# Allegro board SG2042_EVB_V1_1.brd (continued)
## Routing (per net, layer and track width the routed paths; a pad name or vN(x,y) marks a point on that pad's centre or on a via; arc(x,y) is an arc through that point) (continued)
DDR0_DM2_N: length 79.7
  TOP w0.14: U1.AK49 v1(158.97,104.15)
  ART03 w0.109: 166.97,107.62 166.89,107.55 166.89,107.51 166.14,106.75 161.24,106.75 160.24,105.75 159.74,105.75 159.38,105.39 159.38,104.55 v1(158.97,104.15)
  ART03 w0.145: J1.30 205.67,145.67 arc(205.6,145.82) 205.5,145.95 205.08,146.36 arc(204.76,146.58) 204.38,146.65 203.14,146.65 arc(202.76,146.58) 202.44,146.36 202.09,146.02 arc(201.86,145.86) 201.58,145.8 200.34,145.8 arc(200.07,145.86) 199.83,146.02 199.41,146.44 arc(199.17,146.6) 198.89,146.65 198.44,146.65 arc(198.06,146.58) 197.74,146.36 197.4,146.02 arc(197.16,145.86) 196.88,145.8 196.54,145.8 arc(196.27,145.86) 196.03,146.02 195.68,146.36 arc(195.36,146.58) 194.98,146.65 189.49,146.65 188.95,146.11 188.74,146.11 188.5,146.35 188.08,146.35 187.51,145.78 187.51,145.36 187.75,145.12 187.75,144.92 187.34,144.51 187.14,144.51 186.9,144.74 186.48,144.74 185.91,144.18 185.91,143.76 186.15,143.52 186.15,143.31 170.28,127.44 170.28,110.93 166.97,107.62
DDR0_DM2_P: length 79.7
  TOP w0.14: U1.AK50 v1(159.97,104.15)
  ART03 w0.109: 167.16,107.44 167.14,107.42 167.1,107.42 166.23,106.54 161.32,106.54 160.99,106.21 160.99,106.05 160.82,105.88 160.66,105.88 160.32,105.54 159.82,105.54 159.59,105.31 159.59,104.9 159.65,104.85 159.71,104.79 159.71,104.55 159.65,104.49 159.59,104.43 159.59,104.26 159.7,104.15 v1(159.97,104.15)
  ART03 w0.145: J1.29 204.96,145.35 arc(205.18,145.33) 205.35,145.48 arc(205.37,145.63) 205.31,145.76 204.89,146.18 arc(204.66,146.33) 204.38,146.39 203.14,146.39 arc(202.86,146.33) 202.63,146.18 202.28,145.83 arc(201.96,145.61) 201.58,145.54 200.23,145.54 arc(199.96,145.59) 199.72,145.75 199.29,146.18 arc(199.06,146.33) 198.78,146.39 198.44,146.39 arc(198.17,146.33) 197.93,146.18 197.58,145.83 arc(197.26,145.61) 196.88,145.54 196.54,145.54 arc(196.16,145.61) 195.84,145.83 195.5,146.18 arc(195.26,146.33) 194.98,146.39 189.6,146.39 189.05,145.85 188.63,145.85 188.39,146.08 188.19,146.08 187.78,145.67 187.78,145.47 188.02,145.23 188.02,144.81 187.45,144.24 187.03,144.24 186.79,144.48 186.59,144.48 186.18,144.07 186.18,143.86 186.41,143.63 186.41,143.2 170.54,127.33 170.54,110.82 167.16,107.44
DDR0_DM3_N: length 76.5
  TOP w0.14: U1.AP52 v1(161.97,100.15)
  ART03 w0.109: 167.98,99.81 167.95,99.81 167.93,99.83 167.62,99.83 166.92,100.54 161.51,100.54 161.39,100.43 161.39,100.26 161.5,100.15 v1(161.97,100.15)
  ART03 w0.145: J1.41 204.87,135.74 arc(204.99,135.88) 204.97,136.06 arc(204.88,136.15) 204.76,136.19 203.14,136.19 arc(202.86,136.13) 202.63,135.98 202.28,135.63 arc(201.96,135.41) 201.58,135.34 200.34,135.34 arc(199.96,135.41) 199.64,135.63 199.3,135.98 arc(199.06,136.13) 198.78,136.19 198.44,136.19 arc(198.17,136.13) 197.93,135.98 197.58,135.63 arc(197.26,135.41) 196.88,135.34 196.54,135.34 arc(196.16,135.41) 195.84,135.63 195.5,135.98 arc(195.26,136.13) 194.98,136.19 193.03,136.19 182.97,126.13 182.97,125.93 183.55,125.35 183.55,124.93 182.98,124.36 182.56,124.36 181.99,124.94 181.78,124.94 181.37,124.53 181.37,124.32 181.95,123.75 181.95,123.32 181.38,122.76 180.96,122.76 180.38,123.33 180.18,123.33 179.77,122.92 179.77,122.72 180.34,122.14 180.34,121.72 179.78,121.15 179.35,121.15 178.78,121.73 178.57,121.73 177.97,121.13 177.97,107.71 170.06,99.81 167.98,99.81
DDR0_DM3_P: length 76.4
  TOP w0.14: U1.AP51 v1(160.97,100.15)
  ART03 w0.109: 167.98,100.07 167.95,100.07 167.93,100.04 167.71,100.04 167,100.75 161.42,100.75 161.18,100.52 161.18,100.35 v1(160.97,100.15)
  ART03 w0.145: 167.98,100.07 169.95,100.07 177.71,107.82 177.71,121.24 178.47,121.99 178.89,121.99 179.46,121.42 179.67,121.42 180.08,121.83 180.08,122.03 179.5,122.61 179.5,123.03 180.07,123.6 180.49,123.6 181.07,123.02 181.27,123.02 181.68,123.43 181.68,123.64 181.11,124.21 181.11,124.64 181.67,125.2 182.1,125.2 182.67,124.63 182.87,124.63 183.29,125.04 183.29,125.24 182.71,125.82 182.71,126.24 192.93,136.45 194.98,136.45 arc(195.36,136.38) 195.68,136.16 196.03,135.82 arc(196.27,135.66) 196.54,135.6 196.88,135.6 arc(197.16,135.66) 197.39,135.82 197.74,136.16 arc(198.06,136.38) 198.44,136.45 198.78,136.45 arc(199.16,136.38) 199.48,136.16 199.83,135.82 arc(200.07,135.66) 200.34,135.6 201.58,135.6 arc(201.86,135.66) 202.09,135.82 202.44,136.16 arc(202.76,136.38) 203.14,136.45 204.96,136.45 arc(205.01,136.45) 205.06,136.45 J1.40
DDR0_DM4_N: length 51.4
  TOP w0.14: U1.BJ54 v1(163.97,85.15)
  BOTTOM w0.109: 168.05,84.19 168.02,84.19 167.96,84.13 167.69,84.13 167.4,84.43 166.57,84.43 166.25,84.75 163.53,84.75 163.42,84.87 163.42,85.04 163.53,85.15 v1(163.97,85.15)
  BOTTOM w0.14: 168.05,84.19 183.9,84.19 186.68,81.42 187.76,81.42 187.9,81.56 187.9,82.22 188.23,82.55 189.06,82.55 189.4,82.22 189.4,81.56 189.53,81.42 190.09,81.42 190.23,81.56 190.23,82.22 190.57,82.55 191.4,82.55 191.73,82.22 191.73,81.56 191.87,81.42 193.06,81.42 193.74,82.09 194.98,82.09 arc(195.37,82.01) 195.71,81.79 196.05,81.44 arc(196.28,81.29) 196.55,81.24 196.88,81.24 arc(197.15,81.29) 197.37,81.44 197.72,81.79 arc(198.05,82.01) 198.45,82.09 198.78,82.09 arc(199.17,82.01) 199.51,81.79 199.85,81.44 arc(200.08,81.29) 200.35,81.24 201.58,81.24 arc(201.85,81.29) 202.07,81.44 202.42,81.79 arc(202.75,82.01) 203.14,82.09 204.38,82.09 arc(204.77,82.01) 205.11,81.78 205.48,81.41 arc(205.48,81.41) 205.49,81.4 205.53,81.36 arc(205.53,81.36) 205.53,81.36 arc(205.64,81.22) 205.71,81.06 J1.100
DDR0_DM4_P: length 51.3
  TOP w0.14: U1.BJ53 v1(162.97,85.15)
  BOTTOM w0.109: v1(162.97,85.15) 163.21,84.91 163.21,84.78 163.45,84.54 166.16,84.54 166.49,84.22 167.31,84.22 167.6,83.92 167.96,83.92 168.02,83.86 168.05,83.86
  BOTTOM w0.14: J1.99 205.08,80.69 arc(205.21,80.68) 205.31,80.76 205.34,80.81 arc(205.37,80.98) 205.3,81.13 204.87,81.55 arc(204.65,81.7) 204.38,81.76 203.14,81.76 arc(202.88,81.7) 202.65,81.55 202.31,81.21 arc(201.97,80.98) 201.58,80.91 200.35,80.91 arc(199.95,80.98) 199.62,81.21 199.27,81.55 arc(199.05,81.7) 198.78,81.76 198.45,81.76 arc(198.18,81.7) 197.95,81.55 197.61,81.21 arc(197.27,80.98) 196.88,80.91 196.55,80.91 arc(196.15,80.98) 195.82,81.21 195.47,81.55 arc(195.25,81.7) 194.98,81.76 193.87,81.76 193.2,81.09 191.73,81.09 191.4,81.42 191.4,82.08 191.26,82.22 190.7,82.22 190.56,82.08 190.56,81.42 190.23,81.09 189.4,81.09 189.06,81.42 189.06,82.08 188.93,82.22 188.37,82.22 188.23,82.08 188.23,81.42 187.89,81.09 186.55,81.09 183.77,83.86 168.05,83.86
DDR0_DM5_N: length 54.7
  TOP w0.14: U1.BT54 v1(163.97,78.15)
  BOTTOM w0.109: 164.91,77.15 164.91,77.23 164.37,77.77 164.37,78.42 164.26,78.53 164.08,78.53 163.97,78.42 v1(163.97,78.15)
  BOTTOM w0.14: 164.91,77.15 165.32,76.73 171.23,76.73 171.87,76.1 172.34,76.1 172.99,76.74 173.18,76.74 173.58,76.35 173.58,76.15 172.93,75.5 172.93,75.03 173.52,74.44 173.99,74.44 174.64,75.09 174.84,75.09 175.23,74.69 175.23,74.5 174.59,73.85 174.59,73.38 175.18,72.79 175.65,72.79 176.29,73.44 176.49,73.44 176.89,73.04 176.89,72.84 176.24,72.2 176.24,71.73 177.08,70.89 193.41,70.89 194.09,71.56 194.98,71.56 arc(195.25,71.5) 195.47,71.35 195.82,71.01 arc(196.15,70.78) 196.55,70.71 196.88,70.71 arc(197.27,70.78) 197.61,71.01 197.95,71.35 arc(198.18,71.5) 198.45,71.56 198.78,71.56 arc(199.05,71.5) 199.27,71.35 199.62,71.01 arc(199.95,70.78) 200.35,70.71 201.58,70.71 arc(201.97,70.78) 202.31,71.01 202.65,71.35 arc(202.88,71.5) 203.14,71.56 204.81,71.56 arc(204.9,71.53) 204.97,71.46 204.99,71.42 arc(205.01,71.28) 204.92,71.17 J1.111
DDR0_DM5_P: length 54.6
  TOP w0.14: U1.BR54 v1(163.97,79.15)
  BOTTOM w0.109: v1(163.97,79.15) 163.97,78.85 164.08,78.74 164.34,78.74 164.58,78.51 164.58,77.86 165.06,77.38 165.14,77.38
  BOTTOM w0.14: J1.110 205.09,71.88 arc(205.03,71.88) 204.97,71.89 203.14,71.89 arc(202.75,71.81) 202.42,71.59 202.07,71.24 arc(201.85,71.09) 201.58,71.04 200.35,71.04 arc(200.08,71.09) 199.85,71.24 199.51,71.59 arc(199.17,71.81) 198.78,71.89 198.45,71.89 arc(198.05,71.81) 197.72,71.59 197.37,71.24 arc(197.15,71.09) 196.88,71.04 196.55,71.04 arc(196.28,71.09) 196.05,71.24 195.71,71.59 arc(195.37,71.81) 194.98,71.89 193.95,71.89 193.28,71.22 177.22,71.22 176.57,71.86 176.57,72.06 177.22,72.71 177.22,73.18 176.63,73.77 176.16,73.77 175.51,73.12 175.31,73.12 174.92,73.52 174.92,73.71 175.56,74.36 175.56,74.83 174.97,75.42 174.5,75.42 173.86,74.77 173.66,74.77 173.26,75.17 173.26,75.37 173.91,76.01 173.91,76.48 173.32,77.07 172.85,77.07 172.2,76.43 172.01,76.43 171.37,77.06 165.46,77.06 165.14,77.38
DDR0_DM6_N: length 66.9
  TOP w0.14: U1.BJ49 v1(158.97,85.15)
  ART03 w0.109: 167.47,79.68 167.45,79.68 167.42,79.71 167.07,79.71 166.23,80.54 164.7,80.54 164.37,80.88 164.37,83.31 164.14,83.54 159.67,83.54 159.37,83.84 159.37,84.74 158.97,85.13 v1(158.97,85.15)
  ART03 w0.145: J1.122 204.99,61.4 arc(204.94,61.39) 204.9,61.39 203.36,61.39 arc(203.09,61.33) 202.85,61.18 202.5,60.83 arc(202.18,60.61) 201.8,60.54 200.34,60.54 arc(199.96,60.61) 199.64,60.83 199.3,61.18 arc(199.06,61.33) 198.78,61.39 198.55,61.39 arc(198.27,61.33) 198.04,61.18 197.69,60.83 arc(197.37,60.61) 196.99,60.54 196.54,60.54 arc(196.16,60.61) 195.84,60.83 195.5,61.18 arc(195.26,61.33) 194.98,61.39 190.99,61.39 179.25,73.13 179.04,73.13 178.62,72.71 178.2,72.71 177.63,73.27 177.63,73.69 178.05,74.12 178.05,74.32 177.64,74.73 177.44,74.73 177.02,74.31 176.59,74.31 176.03,74.87 176.03,75.3 176.45,75.72 176.45,75.93 176.04,76.34 175.84,76.34 175.41,75.91 174.99,75.91 174.42,76.48 174.42,76.9 174.85,77.32 174.85,77.53 174.44,77.94 174.23,77.94 173.81,77.52 173.39,77.52 172.82,78.08 172.82,78.5 173.24,78.93 173.24,79.13 172.7,79.68 167.47,79.68
DDR0_DM6_P: length 66.8
  TOP w0.14: U1.BJ50 v1(159.97,85.15)
  ART03 w0.109: v1(159.97,85.15) 159.62,85.15 159.51,85.04 159.51,84.9 159.58,84.83 159.58,83.93 159.76,83.75 164.23,83.75 164.58,83.4 164.58,80.96 164.79,80.75 166.32,80.75 167.16,79.92 167.42,79.92 167.45,79.94 167.47,79.94
  ART03 w0.145: 167.47,79.94 172.81,79.94 173.51,79.24 173.51,78.82 173.08,78.39 173.08,78.19 173.5,77.78 173.7,77.78 174.12,78.2 174.55,78.2 175.11,77.64 175.11,77.21 174.69,76.79 174.69,76.59 175.1,76.18 175.3,76.18 175.73,76.6 176.15,76.6 176.71,76.04 176.71,75.61 176.29,75.19 176.29,74.98 176.7,74.57 176.91,74.57 177.33,75 177.75,75 178.32,74.43 178.32,74.01 177.89,73.59 177.89,73.38 178.3,72.97 178.51,72.97 178.93,73.39 179.36,73.39 191.1,61.65 194.98,61.65 arc(195.36,61.58) 195.68,61.36 196.03,61.02 arc(196.27,60.86) 196.54,60.8 196.99,60.8 arc(197.27,60.86) 197.5,61.02 197.85,61.36 arc(198.17,61.58) 198.55,61.65 198.78,61.65 arc(199.16,61.58) 199.48,61.36 199.83,61.02 arc(200.07,60.86) 200.34,60.8 201.8,60.8 arc(202.08,60.86) 202.32,61.02 202.66,61.36 arc(202.99,61.58) 203.36,61.65 204.78,61.65 arc(204.88,61.68) 204.95,61.76 204.97,61.78 arc(204.98,61.96) 204.87,62.1 J1.121
DDR0_DM7_N: length 67.2
  TOP w0.14: U1.BT49 v1(158.97,78.15)
  ART03 w0.109: v1(158.97,78.15) 158.97,78.35 159.08,78.46 159.26,78.46 159.37,78.35 159.37,77.91 160.55,76.72 160.55,76.68 160.57,76.67
  ART03 w0.145: J1.133 204.91,52.46 arc(205,52.57) 204.99,52.72 204.98,52.73 arc(204.89,52.83) 204.75,52.87 203.12,52.87 arc(202.85,52.82) 202.61,52.66 202.3,52.35 arc(201.98,52.14) 201.6,52.06 200.35,52.06 arc(199.97,52.14) 199.65,52.35 199.31,52.69 arc(199.08,52.84) 198.8,52.9 198.55,52.9 arc(198.28,52.84) 198.04,52.69 197.71,52.35 arc(197.39,52.14) 197.01,52.06 196.49,52.06 arc(196.11,52.14) 195.79,52.35 195.43,52.71 arc(195.19,52.87) 194.92,52.92 194.1,52.92 193.34,52.17 191.47,52.17 191.17,52.47 191.17,53.29 191.02,53.43 190.45,53.43 190.3,53.29 190.3,52.47 190,52.17 189.2,52.17 188.9,52.47 188.9,53.29 188.76,53.43 188.18,53.43 188.03,53.29 188.03,52.47 187.74,52.17 186.94,52.17 186.64,52.47 186.64,53.29 186.49,53.43 185.91,53.43 185.77,53.29 185.77,52.47 185.47,52.17 184,52.17 165.91,70.26 165.91,71.33 160.57,76.67
DDR0_DM7_P: length 67.3
  TOP w0.14: U1.BR49 v1(158.97,79.15)
  ART03 w0.109: 160.76,76.85 160.74,76.87 160.7,76.87 159.58,78 159.58,78.44 159.35,78.67 159.08,78.67 158.97,78.78 v1(158.97,79.15)
  ART03 w0.145: 160.76,76.85 166.17,71.44 166.17,70.37 184.11,52.43 185.36,52.43 185.5,52.58 185.5,53.4 185.8,53.7 186.6,53.7 186.9,53.4 186.9,52.58 187.05,52.43 187.63,52.43 187.77,52.58 187.77,53.4 188.07,53.7 188.87,53.7 189.17,53.4 189.17,52.58 189.31,52.43 189.89,52.43 190.04,52.58 190.04,53.4 190.34,53.7 191.13,53.7 191.43,53.4 191.43,52.58 191.58,52.43 193.23,52.43 193.99,53.19 194.92,53.19 arc(195.3,53.11) 195.62,52.9 195.98,52.54 arc(196.21,52.38) 196.49,52.32 197.01,52.32 arc(197.28,52.38) 197.52,52.54 197.86,52.87 arc(198.18,53.09) 198.55,53.16 198.8,53.16 arc(199.18,53.09) 199.5,52.87 199.84,52.54 arc(200.07,52.38) 200.35,52.32 201.6,52.32 arc(201.88,52.38) 202.11,52.54 202.43,52.85 arc(202.75,53.06) 203.12,53.14 204.75,53.14 arc(204.75,53.14) 204.76,53.14 204.9,53.14 arc(204.94,53.14) 204.98,53.13 J1.132
DDR0_DQ0: length 96.9
  TOP w0.16: U1.AH55 v1(164.97,106.15)
  BOTTOM w0.114: v1(164.97,106.15) 165.59,106.76 165.59,108.08 165.58,108.08 165.58,108.62 165.48,108.72 165.48,146.82 185.57,166.9 186.72,166.9 187.22,166.4
  BOTTOM w0.16: J1.5 204.14,166.29 203,166.29 arc(202.76,166.25) 202.56,166.11 202.54,166.09 arc(202.34,165.96) 202.1,165.91 200.23,165.91 arc(199.92,165.97) 199.66,166.15 199.24,166.57 arc(199.03,166.71) 198.78,166.76 198.75,166.76 arc(198.5,166.71) 198.29,166.57 197.86,166.15 arc(197.6,165.97) 197.3,165.91 196.43,165.91 arc(196.12,165.97) 195.86,166.15 195.44,166.57 arc(195.23,166.71) 194.98,166.76 194.68,166.76 194.54,166.62 193.73,166.62 193.51,166.4 192.72,166.4 192.56,166.56 192.56,167.1 192.4,167.26 192,167.26 191.84,167.1 191.84,166.56 191.68,166.4 191.28,166.4 191.12,166.56 191.12,168.27 190.96,168.43 190.56,168.43 190.4,168.27 190.4,166.56 190.24,166.4 189.84,166.4 189.68,166.56 189.68,167.23 189.52,167.39 189.12,167.39 188.96,167.23 188.96,166.56 188.8,166.4 187.22,166.4
DDR0_DQ1: length 100.2
  TOP w0.16: U1.AH53 v1(162.97,106.15)
  BOTTOM w0.089: 187.22,167.12 187.07,167.27 185.42,167.27 165.11,146.97 165.11,108.56 165.35,108.33 165.35,106.9 165.09,106.65 163.47,106.65 v1(162.97,106.15)
  BOTTOM w0.16: J1.150 207.82,165.22 arc(207.51,165.28) 207.25,165.46 206.87,165.84 arc(206.61,166.01) 206.3,166.07 205.92,166.07 arc(205.61,166.13) 205.35,166.31 204.97,166.69 arc(204.71,166.86) 204.41,166.92 204.2,166.92 arc(204.06,166.95) 203.94,167.03 203.92,167.05 arc(203.8,167.13) 203.66,167.16 203.04,167.16 arc(202.73,167.1) 202.47,166.92 202.02,166.47 arc(201.76,166.29) 201.45,166.23 200.34,166.23 arc(200.1,166.28) 199.89,166.42 199.46,166.85 arc(199.2,167.02) 198.9,167.08 198.03,167.08 arc(197.72,167.02) 197.46,166.85 197.04,166.42 arc(196.83,166.28) 196.58,166.23 196.55,166.23 arc(196.3,166.28) 196.09,166.42 195.66,166.85 arc(195.4,167.02) 195.1,167.08 194.68,167.08 194.42,167.34 193.33,167.34 191.51,169.16 189.86,169.16 187.82,167.12 187.22,167.12
DDR0_DQ2: length 96.1
  TOP w0.16: U1.AL55 v1(164.97,103.15)
  BOTTOM w0.089: v1(164.97,103.15) 165.35,103.52 166.56,103.52 167.63,104.59 167.95,104.59 169.2,105.84 169.2,144.14 171.25,146.19 171.49,146.19
  BOTTOM w0.16: J1.12 205.87,160.21 arc(205.79,160.26) 205.7,160.28 202.64,160.28 arc(202.33,160.22) 202.07,160.05 201.69,159.67 arc(201.43,159.49) 201.12,159.43 200.34,159.43 arc(200.1,159.48) 199.89,159.62 199.46,160.05 arc(199.2,160.22) 198.9,160.28 198.03,160.28 arc(197.72,160.22) 197.46,160.05 197.04,159.63 arc(196.83,159.48) 196.57,159.43 196.54,159.43 arc(196.29,159.48) 196.08,159.63 195.65,160.05 arc(195.39,160.22) 195.09,160.28 194.68,160.28 194.5,160.46 185.75,160.46 179.5,154.2 179.5,153.98 180,153.48 180,153.25 179.72,152.97 179.49,152.97 178.99,153.47 178.76,153.47 178.48,153.18 178.48,152.93 179.13,152.28 179.13,152.05 178.85,151.77 178.62,151.77 177.97,152.42 177.75,152.42 177.46,152.14 177.46,151.91 178.11,151.26 178.11,151.03 177.83,150.75 177.61,150.75 177.13,151.23 176.9,151.23 176.62,150.94 176.62,150.72 177.1,150.24 177.1,150.01 173.53,146.45 171.75,146.45 171.49,146.19
DDR0_DQ3: length 95.4
  TOP w0.16: U1.AL56 v1(165.97,103.15)
  BOTTOM w0.114: v1(165.97,103.15) 166.56,103.15 167.63,104.22 168.1,104.22 169.57,105.69 169.57,143.99 171.26,145.68 172,145.68
  BOTTOM w0.16: J1.157 205.92,159.27 arc(205.61,159.33) 205.35,159.51 205.13,159.73 arc(204.87,159.9) 204.56,159.96 203.6,159.96 arc(203.29,159.9) 203.03,159.73 202.65,159.35 arc(202.39,159.17) 202.09,159.11 200.23,159.11 arc(199.92,159.17) 199.66,159.35 199.24,159.77 arc(199.03,159.91) 198.78,159.96 198.75,159.96 arc(198.5,159.91) 198.29,159.77 197.86,159.35 arc(197.6,159.17) 197.3,159.11 196.48,159.11 arc(196.17,159.17) 195.91,159.35 195.53,159.73 arc(195.27,159.9) 194.97,159.96 194.68,159.96 194.45,159.74 186.05,159.74 185.38,159.06 185.38,158.83 186.01,158.2 186.01,157.97 185.73,157.69 185.5,157.69 184.87,158.33 184.64,158.33 184.36,158.04 184.36,157.82 184.99,157.18 184.99,156.95 184.71,156.67 184.48,156.67 183.85,157.31 183.62,157.31 180.72,154.41 180.72,152.62 173.78,145.68 172,145.68
DDR0_DQ4: length 96.4
  TOP w0.16: U1.AG55 v1(164.97,107.15)
  BOTTOM w0.089: v1(164.97,107.15) 164.6,107.52 164.6,108.37 164.76,108.54 164.76,147.12 185.27,167.63 187.01,167.63 187.22,167.84
  BOTTOM w0.16: J1.3 204.11,168.02 203.03,168.02 arc(202.77,167.97) 202.56,167.83 202.54,167.8 arc(202.32,167.66) 202.07,167.61 200.23,167.61 arc(199.92,167.67) 199.66,167.85 199.24,168.27 arc(199.03,168.41) 198.78,168.46 198.75,168.46 arc(198.5,168.41) 198.29,168.27 197.86,167.85 arc(197.6,167.67) 197.3,167.61 196.43,167.61 arc(196.12,167.67) 195.86,167.85 195.44,168.27 arc(195.23,168.41) 194.98,168.46 194.68,168.46 194.28,168.06 193.63,168.06 192.99,168.7 192.99,170.43 192.83,170.59 192.43,170.59 192.27,170.43 192.27,170.04 192.11,169.88 191.71,169.88 191.55,170.04 191.55,170.43 191.39,170.59 190.99,170.59 190.83,170.43 190.83,170.04 190.67,169.88 190.27,169.88 190.11,170.04 190.11,170.43 189.95,170.59 189.55,170.59 189.39,170.43 189.39,169.87 189.23,169.71 188.53,169.71 187.95,169.13 187.95,168.27 187.52,167.84 187.22,167.84
DDR0_DQ5: length 100.5
  TOP w0.16: U1.AG54 v1(163.97,107.15)
  BOTTOM w0.114: v1(163.97,107.15) 164.36,107.53 164.36,108.66 164.39,108.69 164.39,147.27 185.12,168 186.66,168 187.22,168.56
  BOTTOM w0.16: J1.148 207.82,166.92 arc(207.51,166.98) 207.25,167.16 206.87,167.54 arc(206.61,167.71) 206.3,167.77 205.92,167.77 arc(205.61,167.83) 205.35,168.01 205.01,168.35 arc(204.75,168.52) 204.45,168.58 202.9,168.58 arc(202.59,168.52) 202.33,168.35 202.15,168.17 arc(201.9,167.99) 201.59,167.93 200.36,167.93 arc(200.1,167.98) 199.88,168.13 199.46,168.55 arc(199.2,168.72) 198.9,168.78 198.03,168.78 arc(197.72,168.72) 197.46,168.55 197.04,168.12 arc(196.83,167.98) 196.58,167.93 196.55,167.93 arc(196.3,167.98) 196.09,168.12 195.66,168.55 arc(195.4,168.72) 195.1,168.78 193.93,168.78 193.78,168.93 193.78,170.66 193.13,171.31 189.11,171.31 187.22,169.42 187.22,168.56
DDR0_DQ6: length 95.4
  TOP w0.16: U1.AK56 v1(165.97,104.15)
  BOTTOM w0.114: 170.47,147.21 170.47,146.44 168.47,144.44 168.47,106.14 166.48,104.15 v1(165.97,104.15)
  BOTTOM w0.16: 170.47,147.21 171.73,148.47 171.96,148.47 172.53,147.89 172.76,147.89 173.04,148.18 173.04,148.4 172.47,148.98 172.47,149.21 172.75,149.49 172.98,149.49 173.64,148.82 173.87,148.82 174.15,149.11 174.15,149.33 173.48,150 173.48,150.23 173.77,150.51 173.99,150.51 174.66,149.84 174.89,149.84 175.17,150.13 175.17,150.35 174.5,151.02 174.5,151.24 185.75,162.49 194.17,162.49 194.68,161.98 195.1,161.98 arc(195.4,161.92) 195.66,161.75 196.09,161.32 arc(196.3,161.18) 196.55,161.13 196.58,161.13 arc(196.83,161.18) 197.04,161.32 197.46,161.75 arc(197.72,161.92) 198.03,161.98 198.9,161.98 arc(199.2,161.92) 199.46,161.75 199.89,161.32 arc(200.1,161.18) 200.34,161.13 201.15,161.13 arc(201.45,161.19) 201.71,161.37 202.1,161.75 arc(202.35,161.92) 202.66,161.98 205.7,161.98 arc(205.79,161.96) 205.87,161.91 J1.10
DDR0_DQ7: length 99
  TOP w0.16: U1.AL53 v1(162.97,103.15)
  BOTTOM w0.089: v1(162.97,103.15) 163.6,103.77 166.47,103.77 167.65,104.95 167.8,104.95 168.84,105.99 168.84,144.29 170.98,146.43 170.98,146.7
  BOTTOM w0.16: J1.155 205.92,160.97 arc(205.61,161.03) 205.35,161.21 205.13,161.43 arc(204.87,161.6) 204.56,161.66 203.58,161.66 arc(203.27,161.6) 203.01,161.43 202.63,161.05 arc(202.37,160.87) 202.06,160.81 200.23,160.81 arc(199.92,160.87) 199.66,161.05 199.24,161.47 arc(199.03,161.61) 198.78,161.66 198.75,161.66 arc(198.5,161.61) 198.29,161.47 197.86,161.05 arc(197.6,160.87) 197.3,160.81 196.43,160.81 arc(196.12,160.87) 195.86,161.05 195.45,161.46 arc(195.23,161.61) 194.97,161.66 194.68,161.66 194.19,161.18 193.56,161.18 193.4,161.34 193.4,161.59 193.24,161.75 192.84,161.75 192.68,161.59 192.68,161.34 192.52,161.18 192.12,161.18 191.96,161.34 191.96,161.59 191.8,161.75 191.4,161.75 191.24,161.59 191.24,161.34 191.08,161.18 190.68,161.18 190.52,161.34 190.52,161.59 190.36,161.75 189.96,161.75 189.8,161.59 189.8,161.34 189.64,161.18 189.24,161.18 189.08,161.34 189.08,161.59 188.92,161.75 188.52,161.75 188.36,161.59 188.36,161.34 188.2,161.18 187.8,161.18 187.64,161.34 187.64,161.59 187.48,161.75 187.08,161.75 186.92,161.59 186.92,161.34 186.76,161.18 185.45,161.18 175.89,151.61 175.89,149.83 173.23,147.17 171.45,147.17 170.98,146.7
DDR0_DQ8: length 92.1
  TOP w0.16: U1.AN53 v1(162.97,101.15)
  BOTTOM w0.089: 189.73,153.43 189.73,153.41 189.55,153.22 189.55,151.63 178.87,140.95 177.38,140.95 170.97,134.54 170.97,105.1 168.8,102.93 167.54,102.93 166.39,101.77 163.6,101.77 v1(162.97,101.15)
  BOTTOM w0.16: 189.73,153.43 189.73,155.38 189.57,155.54 189.06,155.54 188.9,155.7 188.9,156.1 189.06,156.26 189.57,156.26 189.73,156.42 189.73,156.92 189.89,157.08 190.29,157.08 190.45,156.92 190.45,155.84 190.61,155.68 191.01,155.68 191.17,155.84 191.17,156.92 191.33,157.08 194.48,157.08 194.68,156.88 195.07,156.88 arc(195.38,156.82) 195.64,156.64 196.04,156.24 arc(196.27,156.09) 196.55,156.03 196.8,156.03 arc(197.1,156.09) 197.36,156.27 197.73,156.64 arc(197.99,156.81) 198.3,156.87 198.89,156.87 arc(199.19,156.81) 199.45,156.64 199.85,156.24 arc(200.08,156.09) 200.36,156.03 201.1,156.03 arc(201.41,156.09) 201.67,156.27 202.04,156.64 arc(202.3,156.81) 202.61,156.87 205.59,156.87 arc(205.79,156.83) J1.16
DDR0_DQ9: length 90.5
  TOP w0.16: U1.AN55 v1(164.97,101.15)
  BOTTOM w0.114: v1(164.97,101.15) 165.36,101.53 166.52,101.53 167.54,102.56 168.95,102.56 171.34,104.95 171.34,134.39 177.54,140.58 179.02,140.58 189.92,151.48 189.92,152.89 190.45,153.43
  BOTTOM w0.16: 190.45,153.43 190.54,153.52 190.54,154.78 190.7,154.94 191.1,154.94 191.26,154.78 191.26,154.24 191.42,154.08 191.82,154.08 191.98,154.24 191.98,156.2 192.14,156.36 192.54,156.36 192.7,156.2 192.7,155.68 192.86,155.52 193.26,155.52 193.42,155.68 193.42,156.2 193.58,156.36 194.48,156.36 194.68,156.56 194.95,156.56 arc(195.25,156.5) 195.49,156.34 195.88,155.95 arc(196.14,155.78) 196.45,155.72 196.93,155.72 arc(197.24,155.78) 197.5,155.95 197.87,156.33 arc(198.13,156.5) 198.43,156.56 198.77,156.56 arc(199.06,156.5) 199.31,156.34 199.69,155.95 arc(199.95,155.78) 200.26,155.72 202.09,155.72 arc(202.4,155.78) 202.66,155.95 203.03,156.33 arc(203.29,156.5) 203.6,156.56 204.54,156.56 arc(204.84,156.5) 205.1,156.33 205.32,156.11 arc(205.58,155.93) 205.89,155.87 J1.161
DDR0_DQ10: length 88
  TOP w0.16: U1.AT55 v1(164.97,98.15)
  BOTTOM w0.089: v1(164.97,98.15) 165.35,98.52 166.62,98.52 166.99,98.89 170.47,98.89 174.8,103.22 174.8,130.27 182.64,138.11 183.05,138.11
  BOTTOM w0.16: 183.05,138.11 183.26,138.32 185.01,138.32 185.83,139.14 186.06,139.14 186.73,138.47 186.96,138.47 187.24,138.75 187.24,138.98 186.57,139.65 186.57,139.88 186.85,140.16 187.08,140.16 187.75,139.49 187.97,139.49 188.26,139.77 188.26,140 187.58,140.67 187.58,140.89 187.87,141.18 188.09,141.18 188.77,140.5 188.99,140.5 189.28,140.79 189.28,141.01 188.6,141.69 188.6,141.91 188.89,142.2 189.11,142.2 189.79,141.52 190.01,141.52 190.29,141.81 190.29,142.03 189.62,142.71 189.62,142.93 192.33,145.64 192.33,147.38 193.44,148.5 194.56,148.5 194.67,148.38 194.98,148.38 arc(195.23,148.43) 195.44,148.58 195.86,149 arc(196.12,149.17) 196.43,149.23 196.57,149.23 arc(196.83,149.28) 197.05,149.43 197.46,149.85 arc(197.72,150.02) 198.03,150.08 198.9,150.08 arc(199.2,150.02) 199.46,149.85 199.88,149.43 arc(200.1,149.28) 200.36,149.23 201.22,149.23 arc(201.53,149.29) 201.79,149.47 202.61,150.29 arc(202.87,150.46) 203.18,150.52 204.11,150.52 J1.23
DDR0_DQ11: length 87.6
  TOP w0.16: U1.AT56 v1(165.97,98.15)
  BOTTOM w0.114: 183.56,137.6 182.65,137.6 175.17,130.11 175.17,103.07 170.62,98.53 167,98.53 166.75,98.27 166.1,98.27 v1(165.97,98.15)
  BOTTOM w0.16: 183.56,137.6 187.11,137.6 191.47,141.96 191.47,142.19 190.8,142.85 190.8,143.08 191.09,143.36 191.31,143.36 191.98,142.7 192.2,142.7 192.49,142.98 192.49,143.21 191.82,143.87 191.82,144.1 193.05,145.32 193.05,147.09 193.59,147.62 194.24,147.62 194.68,148.06 195.1,148.06 arc(195.4,148.12) 195.66,148.3 196.08,148.71 arc(196.3,148.86) 196.56,148.91 197.3,148.91 arc(197.6,148.97) 197.86,149.15 198.29,149.57 arc(198.5,149.71) 198.75,149.76 198.78,149.76 arc(199.03,149.71) 199.24,149.57 199.66,149.15 arc(199.92,148.97) 200.23,148.91 201.64,148.91 arc(201.95,148.97) 202.21,149.15 202.75,149.69 arc(203.01,149.86) 203.32,149.92 204.4,149.92 arc(204.71,149.98) 204.97,150.16 205.35,150.54 arc(205.61,150.71) 205.92,150.77 206.3,150.77 arc(206.61,150.71) 206.87,150.54 207.25,150.16 arc(207.51,149.98) 207.82,149.92 J1.168
